# Altium PCB Mirror TurnSignal (Right ver).PcbDoc
Units mm, origin at the board's own origin, x right, y up, seen from the top; angles counter-clockwise.
Board outline 105 x 70.5 mm, 2 copper layers (Top Layer, Bottom Layer); 30 components, 0 nets, 106 pads, 10 vias.
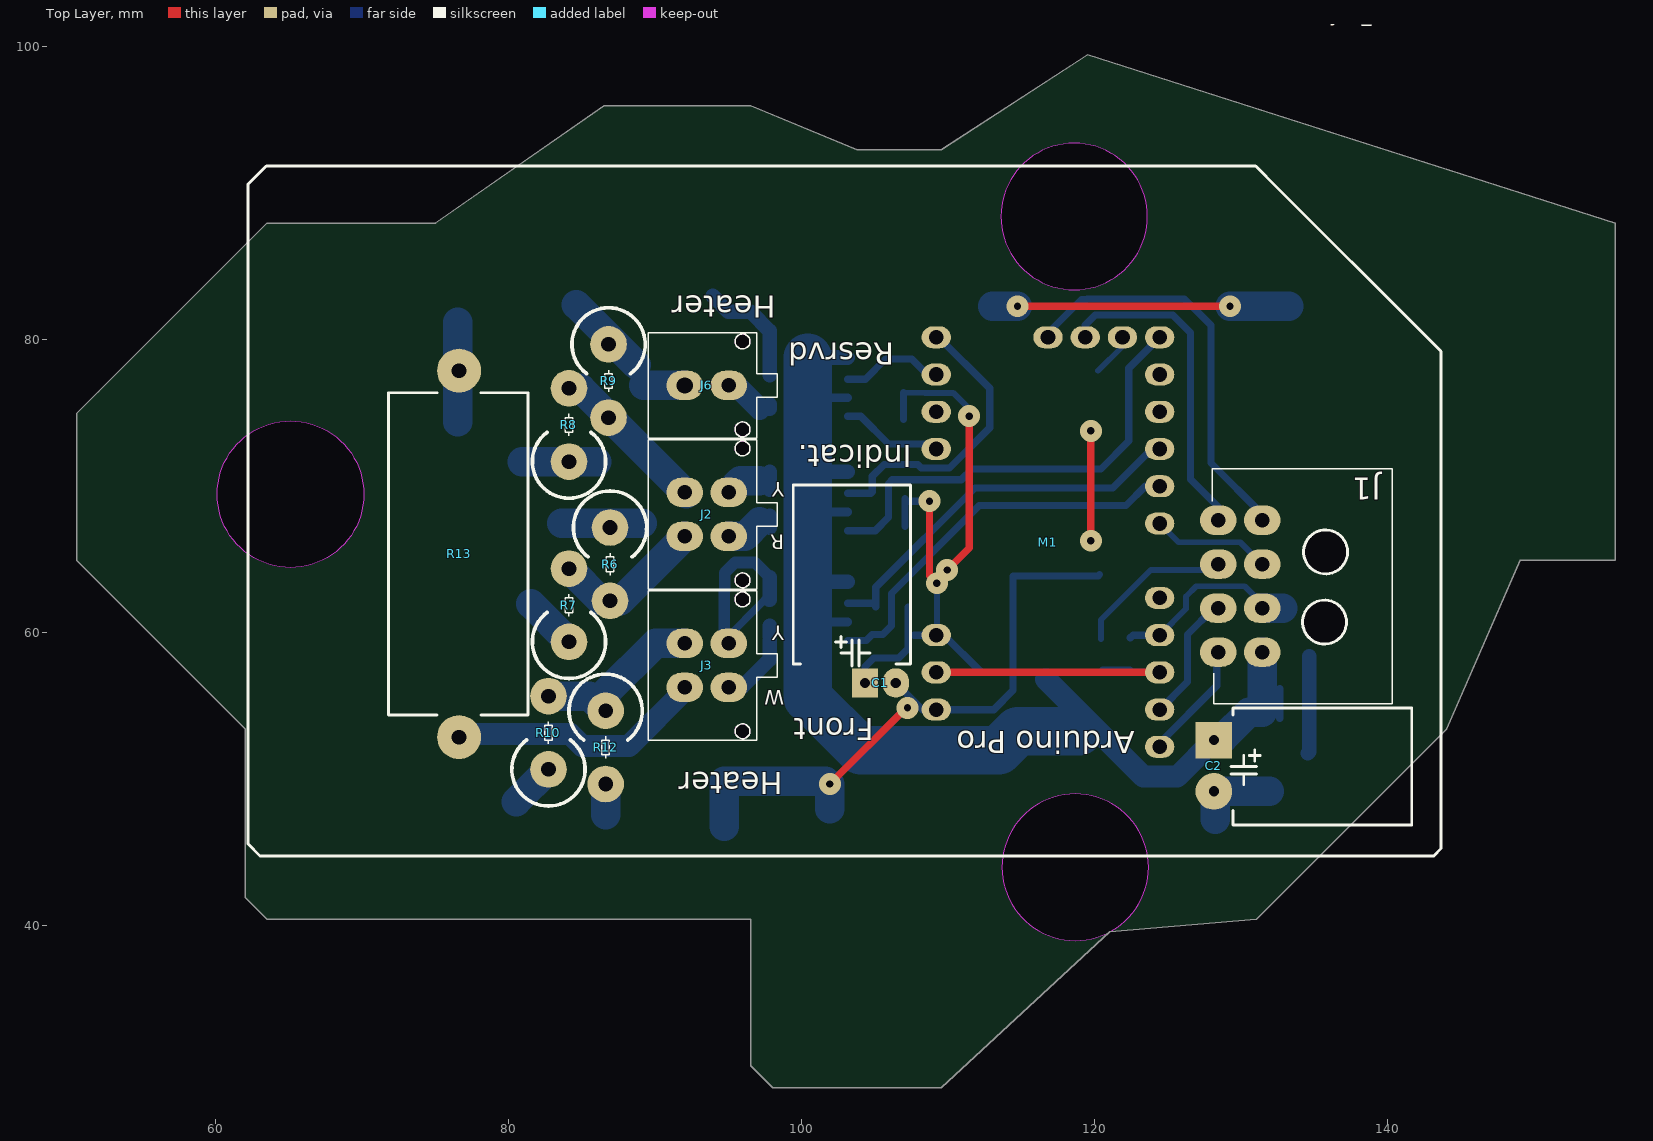
[diagram p0: Top Layer view]
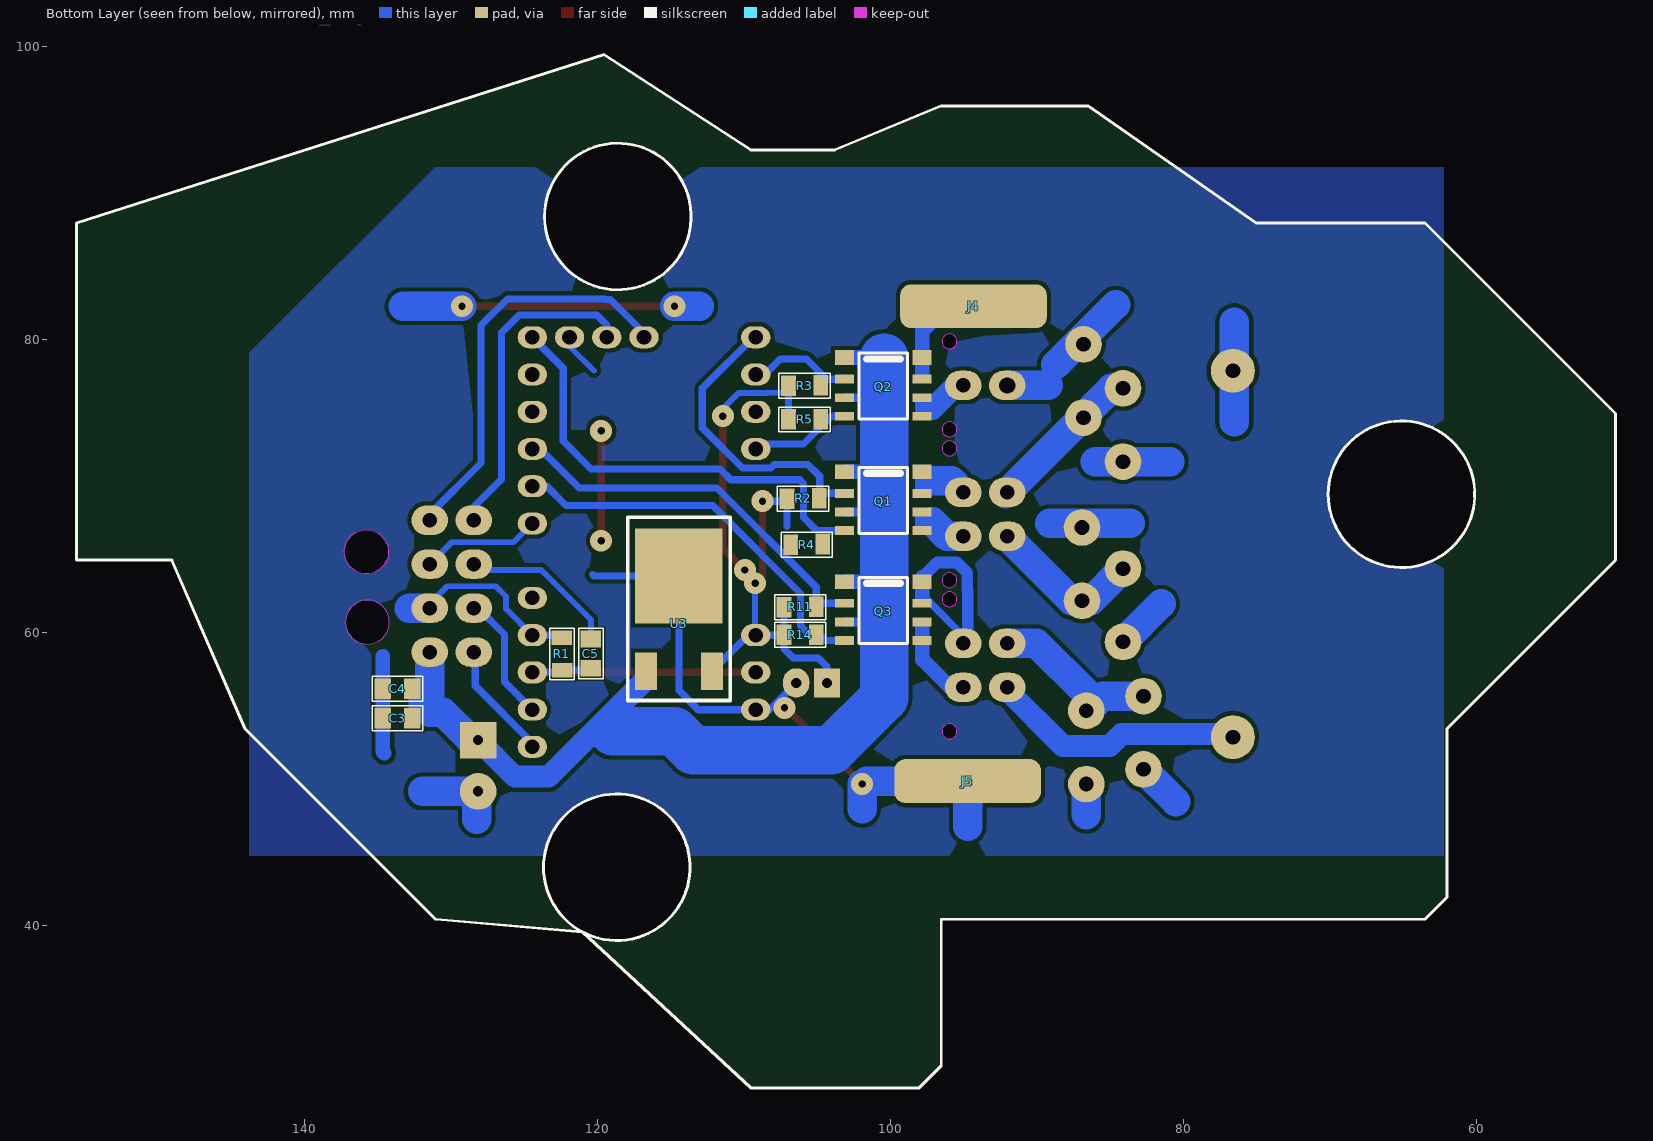
[diagram p1: Bottom Layer view, seen from below]

## Layer stack, top to bottom
Top Solder: solder mask 0.0102, Solder Resist, Dk 3.5
Top Layer: signal copper 0.0356
Dielectric 1: dielectric 0.32, FR-4, Dk 4.8
Bottom Layer: signal copper 0.0356
Bottom Solder: solder mask 0.0102, Solder Resist, Dk 3.5

## Board outline
63.55,40.424 96.55,40.424 96.55,30.424 98.05,28.924 109.55,28.924 121.05,39.566 131.05,40.424 132.55,41.924 142.55,51.924 144.05,53.424 149.05,64.924 155.55,64.924 155.55,87.924 119.55,99.424 109.55,92.924 103.8,92.924 96.55,95.924 86.55,95.924 75.05,87.924 63.55,87.924 52.05,76.424 50.55,74.924 50.55,64.924 62.05,53.424 62.05,41.924
cut-out: 70.15,69.424 cw(c65.15,69.424) 65.15,64.424 cw(c65.15,69.424) 60.15,69.424 cw(c65.15,69.424) 65.15,74.424 cw(c65.15,69.424)
cut-out: 118.62,83.374 ccw(c118.62,88.374) 123.62,88.374 ccw(c118.62,88.374) 118.62,93.374 ccw(c118.62,88.374) 113.62,88.374 ccw(c118.62,88.374)
cut-out: 113.69,43.974 ccw(c118.69,43.974) 118.69,38.974 ccw(c118.69,43.974) 123.69,43.974 ccw(c118.69,43.974) 118.69,48.974 ccw(c118.69,43.974)

## Design rules (kind name [scope] priority, off if disabled: settings)
Clearance [All] p1: gap=0.3
ComponentClearance [All] p1: gap=0.01 collisioncheckmode=3 verticalgap=0.2 showdistances=FALSE
Height [All] p1: minheight=0 maxheight=25 prefheight=12.7
HoleSize [All] p1: absolutevalues=TRUE maxlimit=3.2 minlimit=0.4 maxpercent=80.000 minpercent=20.000
HoleToHoleClearance [All] p1: gap=0.2 allowstackedmicrovias=TRUE
PlaneClearance [All] p1: clearance=0.5
PlaneConnect [All] p1: planeconnectstyle=Relief reliefexpansion=0.508 reliefentries=4 reliefconductorwidth=0.5 reliefairgap=0.5
PolygonConnect [All] p1: connectstyle=Relief reliefconductorwidth=0.5 reliefentries=4 polygonreliefangle="90 Angle" airgapwidth=0.5
RoutingVias [All] p1: holewidth=0.7 width=1.5 viastyle="Through Hole" minholewidth=0.4 minwidth=0.4 maxholewidth=3.2 maxwidth=7
SilkToSilkClearance [All] p1: silktosilkclearance=0.05
SilkToSolderMaskClearance [IsPad] p1: minsilkscreentomaskgap=0.2 clearancetoexposedcopper=TRUE
SolderMaskExpansion [All] p1: expansion=0.1
Width [All] p1: maxlimit=3 minlimit=0.2 preferedwidth=0.5
21 further rules are at their usual default settings.

## Components (designator, comment, footprint, x,y, rotation, side; value= is the part's Value field where it differs from the comment)
C1 "330uF 16V" "Cap E p3.5mm D8xH12 R - PR" 101.65,56.55 r0 top
C2 "470uF 25V" "Cap E p3.5mm D8xH12 R" 128.15,52.65 r270 top
C3 "0.1uF" "SMD 0805 (2012)"#1 132.65,54.15 r0 bottom
C4 "0.01uF" "SMD 0805 (2012)"#1 132.65,56.15 r0 bottom
C5 "0.01uF" "SMD 0805 (2012)"#1 120.45,59.55 r270 bottom
J1 "Connector" "Molex Micro-Fit 3.0 - 8 pin D R" 131.45,67.65 r90 top
J2 "Indicat." "Molex Micro-Fit 3.0 - 4 pin D" 92.05,66.55 r270 top
J3 "Front" "Molex Micro-Fit 3.0 - 4 pin D" 92.05,56.25 r270 top
J4 "Heater" "OnePin 3x10mm" 94.35,82.25 r270 top
J5 "Heater" "OnePin 3x10mm" 94.75,49.85 r270 top
J6 "Resrvd" "Molex Micro-Fit 3.0 - 2 pin D" 92.05,76.85 r270 top
M1 "Arduino Pro" "Arduino Pro Mini Low (no A0-3,6-7,D3)" 124.45,87.75 r270 top
Q1 "IRF7314" SO8 103.15,70.75 r180 bottom
Q2 "IRF7314" SO8 103.15,78.55 r180 bottom
Q3 "IRF7314" SO8 103.15,63.25 r180 bottom
R1 "10KOm" "SMD 0805 (2012)"#2 122.45,59.55 r270 bottom
R2 "10 kOm" "SMD 0805 (2012)"#2 104.95,69.15 r0 bottom
R3 "10 kOm" "SMD 0805 (2012)"#2 104.85,76.85 r0 bottom
R4 "10 kOm" "SMD 0805 (2012)"#2 104.7,66 r0 bottom
R5 "10 kOm" "SMD 0805 (2012)"#2 104.85,74.55 r0 bottom
R6 "xxOm" "Res p5 (3p) 2w" 86.95,67.15 r270 top
R7 "xxOm" "Res p5 (3p) 2w" 84.15,59.35 r90 top
R8 "xxOm" "Res p5 (3p) 2w" 84.15,71.65 r90 top
R9 "xxOm" "Res p5 (3p) 2w" 86.85,79.65 r270 top
R10 "xxOm" "Res p5 (3p) 2w" 82.75,50.65 r90 top
R11 "10 kOm" "SMD 0805 (2012)"#2 105.15,61.75 r0 bottom
R12 "xxOm" "Res p5 (3p) 2w" 86.65,54.65 r270 top
R13 "Om" "Res 5W L22mm, p25mm" 76.65,77.85 r270 top
R14 "10 kOm" "SMD 0805 (2012)"#2 105.15,59.85 r0 bottom
U3 "7805C" D-PAK 114.45,63.85 r270 bottom

## Footprints (in the part's own frame and the unit in brackets; to place one, negate y for a bottom-side part, rotate by r counter-clockwise, add the part's x,y. Pads: shape width x height; smd on the part's side, far side on the other; paste and mask are expansions set on the pad)
"Arduino Pro Mini Low (no A0-3,6-7,D3)" [mm]
  oval 1.5x2 hole 1: 5V(27.94,-15.24) A4(7.62,-5.08) A5(7.62,-7.62) D2(25.4,0) D4(20.32,0) D5(17.78,0) D6(15.24,0) D7(12.7,0) D8(10.16,0) D9(7.62,0) D10(7.62,-15.24) D11(10.16,-15.24) D12(12.7,-15.24) D13(15.24,-15.24) GND(7.62,-2.54) GND(27.94,0) GND(33.02,-15.24) Reset(30.48,-15.24) Reset(30.48,0) RXD(33.02,0) TXD(35.56,0)
  body extent 5.63,-16.93 39.63,1.67, height 12.5
"Cap E p3.5mm D8xH12 R" [mm] "D 8mm; H 12mm"
  rect 2.5x2.5 hole 0.7: 1(0,0)
  round 2.5 hole 0.7: 2(3.5,0)
  silkscreen extent -2.2,1.16 5.8,13.5, body extent -2.28,-0.3 5.78,13.53, height 8.13
"Cap E p3.5mm D8xH12 R - PR" [mm] "D 8mm; H 12mm"
  rect 1.8x2 hole 0.7: 1(2.7,0)
  oval 1.8x2 hole 0.7: 2(4.8,0)
  silkscreen extent -2.2,1.16 5.8,13.5, body extent -2.28,-0.3 5.78,13.53, height 8.13
D-PAK [mm]
  rect 2.54x1.5 smd: 1(6.5,-2.25) 3(6.5,2.25)
  rect 6.48x5.97 smd: 2(0,0)
  silkscreen extent -4,-3.5 8.5,3.5, body extent -2.7,-3.29 7,3.29, height 2.3
"Molex Micro-Fit 3.0 - 2 pin D" [mm]
  oval 2x2.5 hole 1.1: 1(0,0)
  oval 2x2.5 hole 1: 2(0,3)
  Keep-Out Layer board cut-out: -3,3.43 -3.195,3.469 -3.361,3.579 -3.471,3.745 -3.51,3.94 -3.51,3.94 -3.471,4.135 -3.361,4.301 -3.195,4.411 -3,4.45 -3,4.45 -2.805,4.411 -2.639,4.301 -2.529,4.135 -2.49,3.94 -2.49,3.94 -2.529,3.745 -2.639,3.579 -2.805,3.469 -3,3.43
  Keep-Out Layer board cut-out: 3,3.43 2.805,3.469 2.639,3.579 2.529,3.745 2.49,3.94 2.49,3.94 2.529,4.135 2.639,4.301 2.805,4.411 3,4.45 3,4.45 3.195,4.411 3.361,4.301 3.471,4.135 3.51,3.94 3.51,3.94 3.471,3.745 3.361,3.579 3.195,3.469 3,3.43
  silkscreen extent -3.6,-2.5 3.6,6.3, body extent -3.58,-2.47 3.58,6.29, height 9.95
"Molex Micro-Fit 3.0 - 4 pin D" [mm]
  oval 2x2.5 hole 1: 1(0,0) 2(-3,0) 3(0,3) 4(-3,3)
  Keep-Out Layer board cut-out: 3,3.43 2.805,3.469 2.639,3.579 2.529,3.745 2.49,3.94 2.49,3.94 2.529,4.135 2.639,4.301 2.805,4.411 3,4.45 3,4.45 3.195,4.411 3.361,4.301 3.471,4.135 3.51,3.94 3.51,3.94 3.471,3.745 3.361,3.579 3.195,3.469 3,3.43
  Keep-Out Layer board cut-out: -6,3.43 -6.195,3.469 -6.361,3.579 -6.471,3.745 -6.51,3.94 -6.51,3.94 -6.471,4.135 -6.361,4.301 -6.195,4.411 -6,4.45 -6,4.45 -5.805,4.411 -5.639,4.301 -5.529,4.135 -5.49,3.94 -5.49,3.94 -5.529,3.745 -5.639,3.579 -5.805,3.469 -6,3.43
  silkscreen extent -6.58,-2.5 3.6,6.3, body extent -6.57,-2.44 3.58,6.33, height 9.95
"Molex Micro-Fit 3.0 - 8 pin D R" [mm]
  oval 2x2.5 hole 1: 1(0,0) 2(-3,0) 3(-6,0) 4(-9,0) 5(0,3) 6(-3,3) 7(-6,3) 8(-9,3)
  Keep-Out Layer board cut-out: -6.95,-5.75 -7.524,-5.636 -8.011,-5.311 -8.336,-4.824 -8.45,-4.25 -8.45,-4.25 -8.336,-3.676 -8.011,-3.189 -7.524,-2.864 -6.95,-2.75 -6.95,-2.75 -6.376,-2.864 -5.889,-3.189 -5.564,-3.676 -5.45,-4.25 -5.45,-4.25 -5.564,-4.824 -5.889,-5.311 -6.376,-5.636 -6.95,-5.75
  Keep-Out Layer board cut-out: -3.66,-4.32 -3.546,-4.894 -3.221,-5.381 -2.734,-5.706 -2.16,-5.82 -2.16,-5.82 -1.586,-5.706 -1.099,-5.381 -0.774,-4.894 -0.66,-4.32 -0.66,-4.32 -0.774,-3.746 -1.099,-3.259 -1.586,-2.934 -2.16,-2.82 -2.16,-2.82 -2.734,-2.934 -3.221,-3.259 -3.546,-3.746 -3.66,-4.32
  silkscreen extent -12.52,-8.87 3.52,3.4, body extent -12.57,-8.87 3.58,3.37, height 8.73
"OnePin 3x10mm" [mm]
  rrect50% 3x10 smd far side: 1(0,0)
"Res 5W L22mm, p25mm" [mm] "L22mm p25; horisontal"
  round 3 hole 1: 1(0,0) 2(25,0)
  silkscreen extent 1.5,-4.8 23.5,4.7, body extent -0.4,-4.75 25.41,4.75, height 9.01
"Res p5 (3p) 2w" [mm] "L p5mm; horisontal"
  round 2.5 hole 1: 1(0,0) 2(5,0)
  silkscreen extent -2.5,-2.5 3.25,2.5, body extent -2.6,-2.6 5.4,2.6, height 22.1
"SMD 0805 (2012)"#1 [mil]
  rect 45x55 smd: 1(0,0) 2(78.74,0)
  silkscreen extent -29,-33 107,33, body extent 1,-25 80,25, height 31
"SMD 0805 (2012)"#2 [mil]
  rect 39.37x55.12 smd: 1(-2.95,0) 2(83.66,0.98)
  silkscreen extent -29,-32 109,34, body extent 1,-24 80,26, height 18
SO8 [mm]
  rect 1.3x1 smd: 1(0,0.2) 8(5.3,0.2)
  rect 1.3x0.6 smd: 2(0,-1.27) 3(0,-2.54) 4(0,-3.81) 5(5.3,-3.81) 6(5.3,-2.54) 7(5.3,-1.27)
  silkscreen extent 1,-4 4.3,0.5, body extent -0.32,-4.33 5.67,0.57, height 1.6

## Part data
C1 C2: library part "Cap Elecrolitic", "Capacitor"
C3 C4 C5: library part "Cap SMD 0402-1812", "Capacitor"
J1: library part "Micro-Fit 8R (2x4)", "Horisontal, Dbl line, Male - 3mm"
J2 J3: library part "Micro-Fit 4R (2x2)", "Horisontal, Dbl line, Male - 3mm"
J4 J5: library part "OnePin Connector", "Only pad"
J6: library part "Micro-Fit 2R (1x2)", "Horisontal, Dbl line, Male - 3mm"
M1: library part "Arduino Pro Micro"
Q1 Q2 Q3: "Dual P-Ch  20V - 0.058? - 5.3A"
R1 R2 R3 R4 R5 R11 R14: library part "Res All Types"
R6 R7 R8 R9 R10 R12: library part "Res 2W", "5W Cement"
R13: library part "Res 5W", "5W Cement"
U3: "Voltage Regulator"

## Via types
v1: diameter 1.5, hole 0.5, Top Layer to Bottom Layer, 10 vias

## Nets (pads, with @x,y where several pads share a name; then routed paths per layer and width w, separated by ;. In a path a pad name is that pad's centre, name@x,y a point inside that pad or via, vN(x,y) a via of type N, cw(c..) or ccw(c..) an arc to the next point about the centre after c; other vN are vias at no path point)
pads on no net: C1.1 C1.2 C2.1 C2.2 C3.1 C3.2 C4.1 C4.2 C5.1 C5.2 J1.1 J1.2 J1.3 J1.4 J1.5 J1.6 J1.7 J1.8 J2.1 J2.2 J2.3 J2.4 J3.1 J3.2 J3.3 J3.4 J4.1 J5.1 J6.1 J6.2 M1.5V M1.A4 M1.A5 M1.D2 M1.D4 M1.D5 M1.D6 M1.D7 M1.D8 M1.D9 M1.D10 M1.D11 M1.D12 M1.D13 M1.GND M1.Reset M1.RXD M1.TXD Q1.1 Q1.2 Q1.3 Q1.4 Q1.5 Q1.6 Q1.7 Q1.8 Q2.1 Q2.2 Q2.3 Q2.4 Q2.5 Q2.6 Q2.7 Q2.8 Q3.1 Q3.2 Q3.3 Q3.4 Q3.5 Q3.6 Q3.7 Q3.8 R1.1 R1.2 R2.1 R2.2 R3.1 R3.2 R4.1 R4.2 R5.1 R5.2 R6.1 R6.2 R7.1 R7.2 R8.1 R8.2 R9.1 R9.2 R10.1 R10.2 R11.1 R11.2 R12.1 R12.2 R13.1 R13.2 R14.1 R14.2 U3.1 U3.2 U3.3
copper on no net: | length 582.4
  Top Layer w0.5: v1(101.95,49.65) v1@107.05,54.75 ; v1(108.75,68.95) 108.75,63.85 v1(109.25,63.35) ; 109.21,57.27 124.45,57.27 ; v1(109.95,64.25) 111.45,65.75 v1(111.45,74.75) ; v1(114.75,82.25) v1(129.25,82.25) ; v1(119.75,66.25) v1(119.75,73.75)
  Bottom Layer w0.4: 106.975,76.35 108.432,76.35 108.442,76.34 110.36,76.34 111.45,75.25 v1(111.45,74.75) ; 109.21,59.81 109.25,59.85 v1(109.25,63.35) 109.95,64.05 v1(109.95,64.25) ; 120.25,77.85 121.91,79.51 121.91,80.13 ; 120.45,59.55 120.45,60.85 123.85,64.25 128.05,64.25 128.45,64.65 ; 124.45,60.021 124.45,59.81 126.25,61.61 126.25,62.45 126.95,63.15 130.25,63.15 131.45,61.95 ; 124.45,67.43 125.73,66.15 129.95,66.15 131.45,64.65 131.45,64.35
  Bottom Layer w0.5: 94.75,59.45 97.55,62.25 ; 103.15,59.44 104.44,59.44 104.85,59.85 105.55,59.85 106.15,60.45 106.15,62.65 112.15,68.65 122.15,68.65 123.47,69.97 124.45,69.97 ; 103.15,61.98 105.005,61.98 ; 103.15,66.94 105.04,66.94 105.95,67.85 105.95,70.15 106.21,70.41 110.91,70.41 111.65,71.15 120.45,71.15 122.35,73.05 122.35,78.03 124.45,80.13 ; 103.15,69.48 104.755,69.48 104.85,69.575 104.85,70.65 105.65,71.45 107.95,71.45 108.19,71.21 110.11,71.21 112.85,73.95 112.85,76.65 109.29,80.21 ; 103.15,74.74 104.06,74.74 105.95,72.85 108.87,72.85 109.21,72.51 ; 103.15,77.28 104.38,77.28 105.75,78.65 107.53,78.65 108.59,77.59 109.21,77.59 108.79,77.59 ; 104.35,56.55 104.35,57.65 104.95,58.25 106.65,58.25 107.275,58.875 107.275,59.825 107.275,61.725 ; 105.075,61.75 105.075,63.075 111.85,69.85 121.25,69.85 123.91,72.51 124.45,72.51 ; 106.45,56.55 108.27,54.73 109.21,54.73 113.13,54.73 114.45,56.05 114.45,63.85 120.25,63.85 120.35,63.95 ; 106.975,74.525 106.975,76.35 ; 107.075,67.225 107.075,69.125 ; 107.25,68.95 v1(108.75,68.95) ; 107.71,59.81 109.21,59.81 109.74,59.81 112.2,57.35 ; 116.83,80.13 116.83,80.43 119.115,82.715 119.479,82.715 119.514,82.75 126.15,82.75 127.95,80.95 127.95,71.55 131.45,68.05 131.45,67.65 ; 119.37,80.13 119.37,80.97 120.05,81.65 125.35,81.65 126.55,80.45 126.55,70.45 128.45,68.55 128.45,67.65 ; 120.575,57.425 122.425,57.425 122.58,57.27 124.45,57.27 ; 122.45,59.625 122.635,59.81 124.45,59.81 ; 124.45,52.19 124.45,52.45 128.35,56.35 128.35,58.65 ; 124.45,54.73 126.35,56.63 126.35,59.85 128.15,61.65 128.45,61.65 ; 127.55,58.65 128.45,58.65 ; 131.45,61.65 131.45,61.95 ; 132.65,54.15 132.65,56.15 ; 134.65,54.15 134.65,56.15
  Bottom Layer w0.6: 97.55,62.25 97.85,62.25 ; 100.45,60.71 103.15,60.71 ; 100.45,68.05 100.61,68.21 103.15,68.21 ; 100.51,76.01 103.15,76.01
  Bottom Layer w0.8: 94.75,59.45 94.75,62.85 94.77,62.87 94.77,64.055 95.485,64.77 96.83,64.77 97.85,63.75 ; 94.75,59.55 95.05,59.25 ; 95.05,76.85 95.55,76.85
  Bottom Layer w1: 93.95,82.95 95.03,81.87 96.537,81.87 97.85,80.557 97.85,77.55 97.85,78.75 ; 94.67,66.17 95.05,66.55 ; 95.05,56.25 95.95,56.25 97.85,58.15 97.85,59.44 ; 95.05,69.55 95.65,69.55 ; 97.83,62.23 97.85,62.25 97.85,63.45 97.85,63.75 ; 97.85,59.75 97.85,60.45 ; 97.85,67.15 97.85,67.95 ; 97.85,69.75 97.85,70.95 ; 97.85,75.25 97.85,75.55 ; 100.45,63.45 103.15,63.45 ; 100.45,78.75 103.15,78.75 ; 100.95,70.95 103.15,70.95 ; 134.55,51.75 134.65,51.85 134.65,58.35
  Bottom Layer w1.5: 76.85,53.05 84.25,53.05 85.05,52.25 88.25,52.25 92.15,56.15 ; 95.55,76.85 97.15,75.25 ; 116.7,56.8 123.35,50.15 125.65,50.15 128.15,52.65 128.85,52.65
  Bottom Layer w2: 76.55,74.35 76.55,81.15 ; 80.55,48.45 82.75,50.65 ; 80.95,71.65 84.15,71.65 86.05,71.65 ; 81.55,61.95 84.15,59.35 ; 82.75,55.65 85.55,55.65 86.55,54.65 86.65,54.65 86.65,55.85 90.05,59.25 92.05,59.25 ; 83.65,67.45 89.15,67.45 ; 84.15,64.35 86.35,62.15 86.95,62.15 87.65,62.15 92.05,66.55 ; 84.15,76.65 84.95,76.65 92.15,69.45 ; 84.65,82.35 88.75,78.25 ; 86.65,47.55 86.65,49.65 ; 89.25,76.85 92.05,76.85 ; 94.75,46.75 94.75,49.85 v1@101.65,49.85 ; 95.05,66.55 96.15,66.55 97.15,67.55 ; 95.05,69.55 95.85,70.35 97.15,70.35 ; 101.95,47.95 v1(101.95,49.65) ; 113.05,82.25 v1(114.75,82.25) ; 128.25,47.25 128.25,49.15 131.95,49.15 ; 128.75,52.75 130.55,54.55 131.45,54.55 131.45,58.65 ; v1(129.25,82.25) 133.25,82.25 ; 131.45,61.65 132.842,61.65
  Bottom Layer w3.3: 100.45,78.75 100.45,68.05 100.45,60.71 100.45,55.55 104.05,51.95 113.461,51.95 114.761,53.25 118.95,53.25
  other v1: 107.25,54.85

## Polygon pours and split planes (outlines as drawn)
no net on Bottom Layer "Top Layer-No Net" (solid, pour order 2): 62.25,44.75 143.75,44.75 143.75,91.75 62.25,91.75 62.25,44.75

## Other copper
Top Layer:
  text ".Layer_Name" at 133.975,101.7 h1
Bottom Layer:
  pour cut-out: 72,76.25 63.335,76.25 65.15,74.435 70.185,74.435
  pour cut-out: 80.8,91.924 75.05,87.924 63.424,87.924 62.25,86.75 62.25,91.75 62.424,91.924
  pour cut-out: 144,78.826 131,91.826 144.174,91.826 144.25,91.75 144,91.5
  text ".Layer_Name" at 65,102 h1

## Silkscreen, mask and mechanical layers (free items; w line width, h text height)
Top Overlay:
  lines w0.2: 62.25,45.576 62.25,66.076 62.25,78.576 62.25,90.576 63.5,91.826 75,91.826 96.5,91.826 97.826,91.826 120.073,91.826 121.25,91.826 131,91.826 132.5,90.326 142.5,80.326 143.653,79.173 143.653,73.423 143.653,69.173 143.653,45.25 143.153,44.75 102.232,44.75 98.674,44.75 74.924,44.75 63.076,44.75 62.25,45.576
  text ".Layer_Name" at 133.975,101.7 h1
  text "Y" at 98.85,70.25 h1 r180
  text "R" at 98.85,66.65 h1 r180
  text "Y" at 98.85,60.45 h1 r180
  text "W" at 98.85,56.05 h1 r180
Bottom Overlay:
  circle w0.2: c65.15,69.424 r5
  circle w0.2: c118.62,88.374 r5
  circle w0.2: c118.69,43.974 r5
  lines w0.2: 50.55,64.924 62.05,53.424 62.05,41.924 63.55,40.424 75.05,40.424 96.55,40.424 96.55,30.424 98.05,28.924 109.55,28.924 121.05,39.566 131.05,40.424 132.55,41.924 142.55,51.924 144.05,53.424 149.05,64.924 155.55,64.924 155.55,74.924 155.55,87.924 119.55,99.424 109.55,92.924 103.8,92.924 96.55,95.924 86.55,95.924 75.05,87.924 63.55,87.924 52.05,76.424 50.55,74.924 50.55,64.924
  text ".Layer_Name" at 65,102 h1
Top Solder:
  text ".Layer_Name" at 133.975,101.7 h1
Bottom Solder:
  text ".Layer_Name" at 65,102 h1
Mechanical 2:
  text "105 x 71 mm" at 51,105.25 h1
  text "F800 in Mirror PCB (Right)" at 50.975,103.475 h1
  text ".Pcb_File_Name_No_Path" at 50.925,101.425 h1
Mechanical 3:
  text "105 x 71 mm" at 149,105.25 h1
  text "F800 in Mirror PCB (Right)" at 148.975,103.475 h1
  text ".Pcb_File_Name_No_Path" at 148.925,101.425 h1
Mechanical 5:
  circle w0.2: c76.65,77.85 r1.55
  circle w0.2: c104.5,45 r1.55
  circle w0.2: c137.75,81.25 r1.55
  circle w0.2: c103.25,83.75 r1.55
  circle w0.2: c80.25,81.25 r1.55
  circle w0.2: c68.75,81.25 r1.55
  circle w0.2: c68.75,58.25 r1.55
  circle w0.2: c68.25,48.75 r1.55
  lines w0.2: 42.05,75.674 175.25,75.674 ; 43.05,64.174 163.05,64.174 ; 51.3,53.424 51.3,82.824 ; 56.55,52.674 156.65,52.674 ; 57.25,87.174 171.55,87.174 ; 59.05,41.174 135.25,41.174 ; 62.8,38.424 62.8,95.324 ; 69.05,98.674 133.05,98.674 ; 74.3,39.424 74.3,101.424 ; 78.05,29.674 115.55,29.674 ; 85.8,26.424 85.8,102.924 ; 97.3,23.824 97.3,104.724 ; 108.8,24.924 108.8,97.174 ; 120.3,34.224 120.3,103.424 ; 131.8,35.924 131.8,101.924 ; 143.3,98.724 143.323,49.426 ; 154.8,50.424 154.8,95.624 ; 159.3,56.724 159.3,61.224 ; 166.3,69.924 166.3,90.624

## Dimensions
62,87.5 to 144.25,91.75 on Mechanical 3
62,87.5 to 144.25,91.75 on Mechanical 2
51,29 to 156,29 on Mechanical 2
55,100 to 51,29 on Mechanical 2
55,100 to 51,29 on Mechanical 3
51,29 to 156,29 on Mechanical 3